# Allegro board 1155001-Timing_board_V3_20241024_1805_pcb.brd (continued)
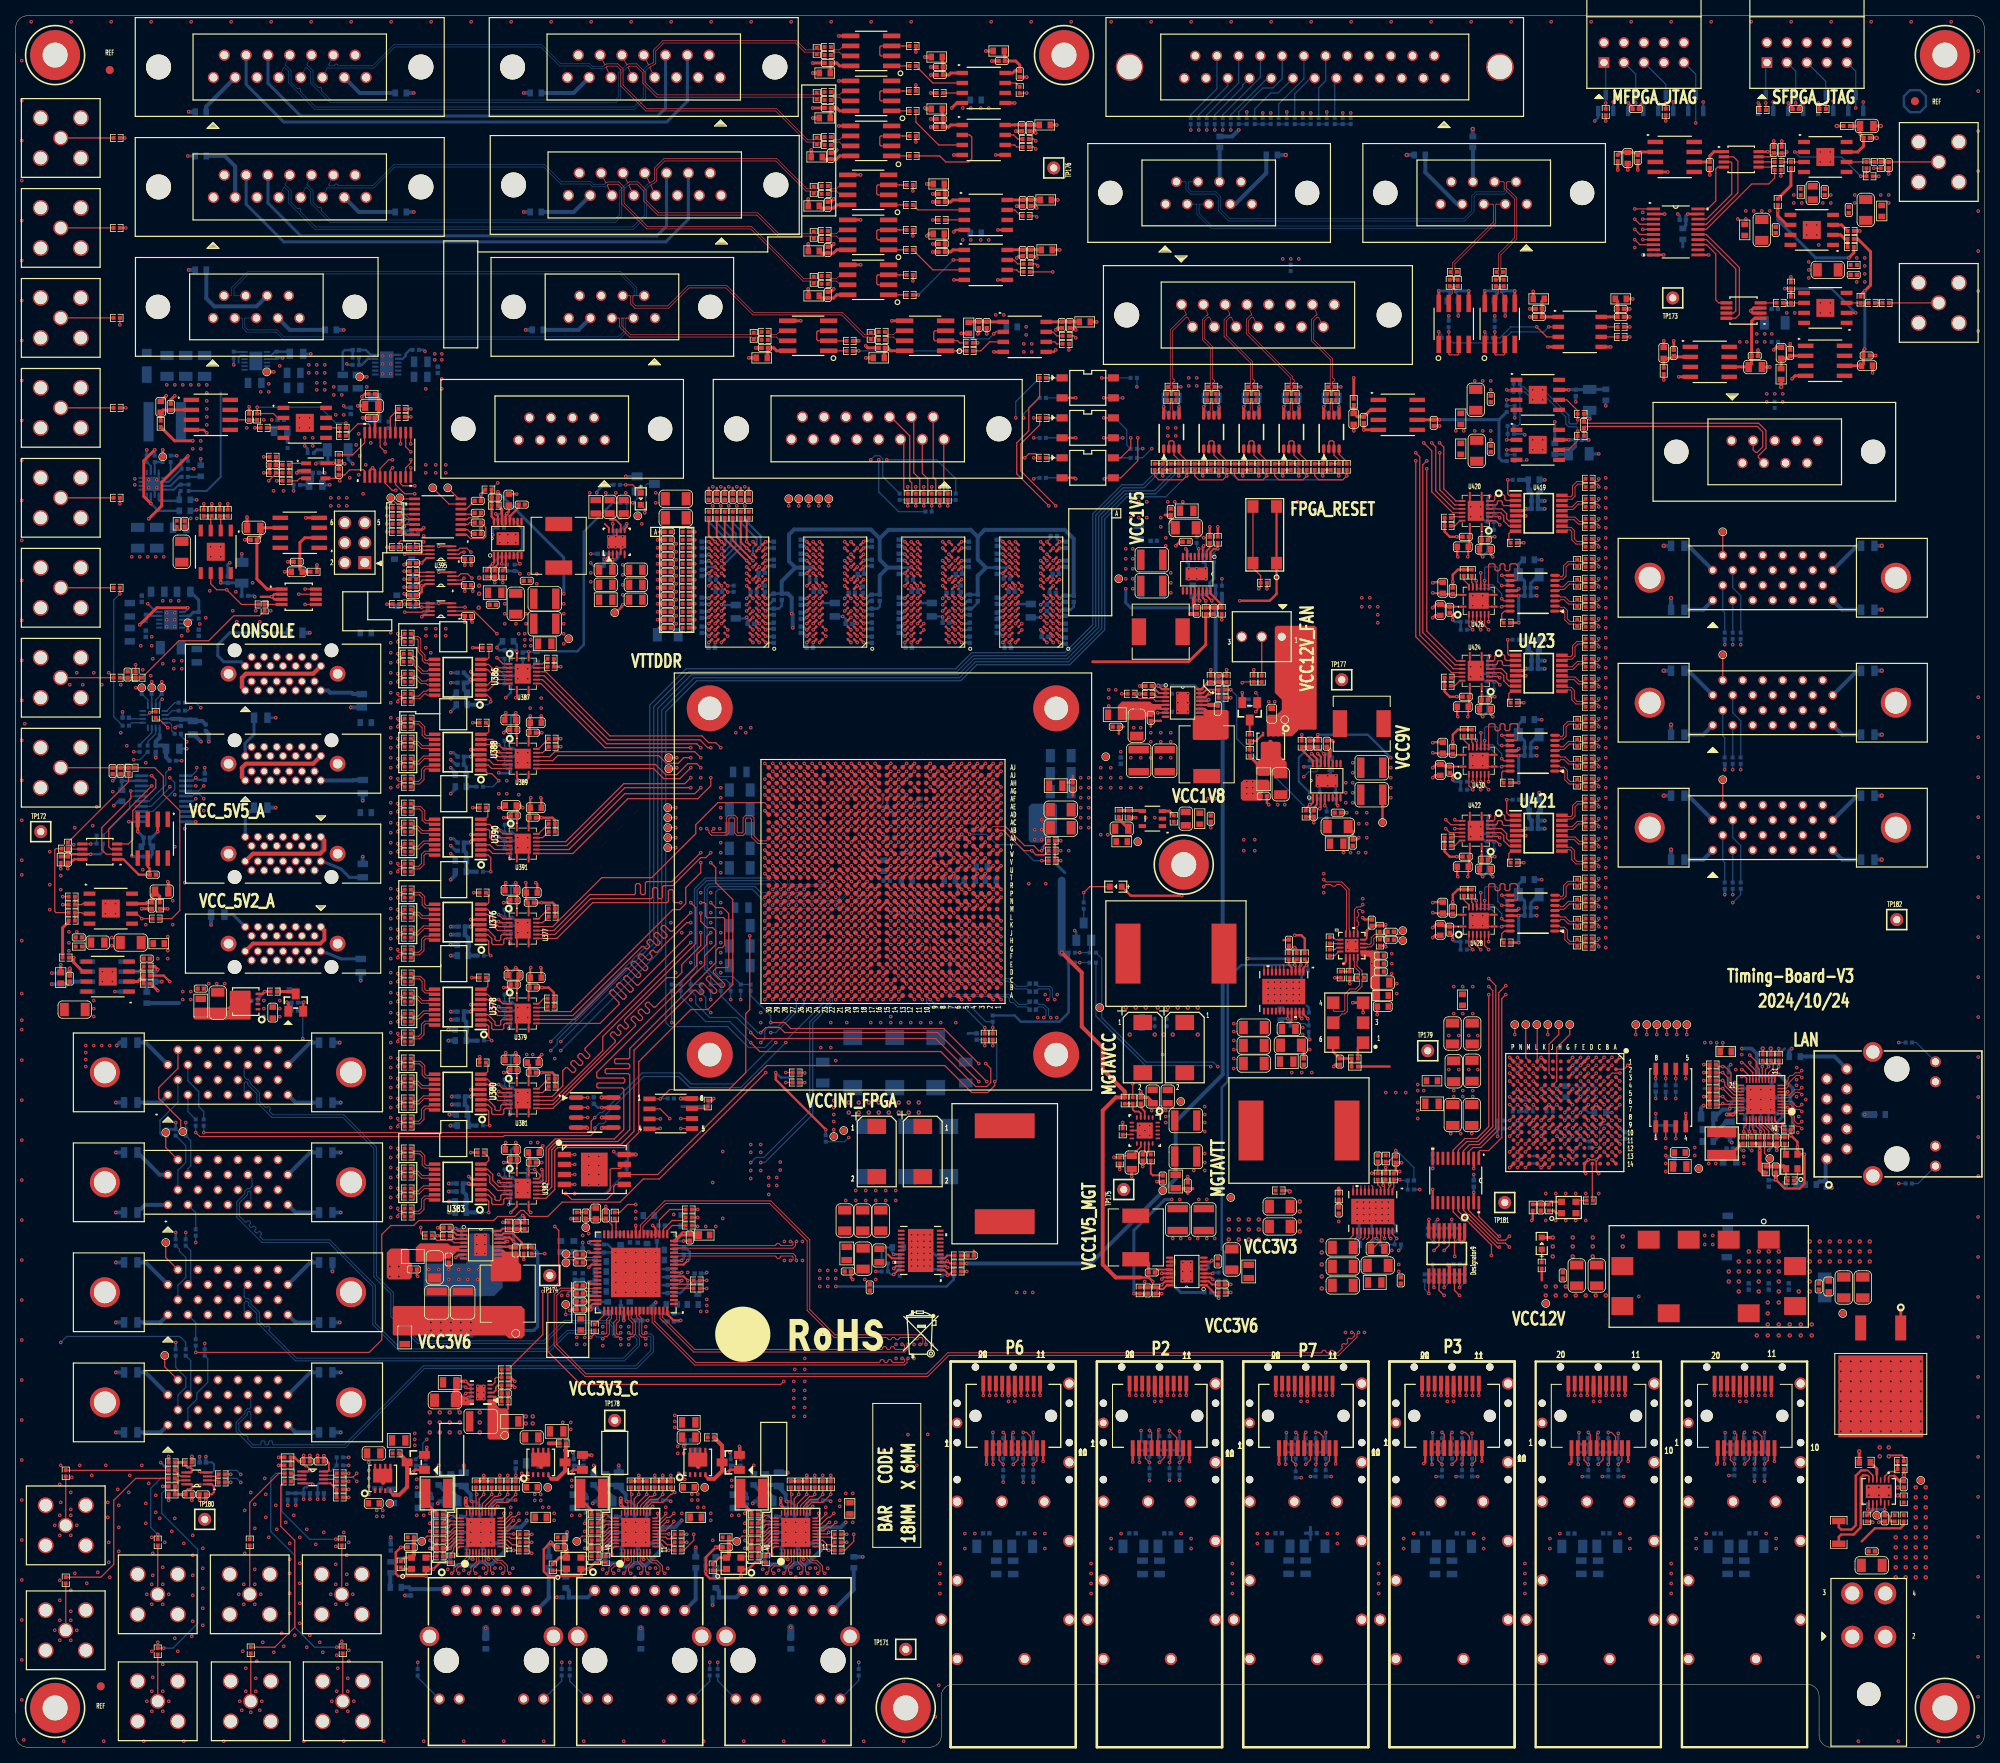
[diagram p0: board, top side]
## Nets
GND: C13.2(CAP1) C14.2(CAP1) C15.2(CAP1) C22.2(CAP1) C23.2(CAP1) C44.2(CAP1) C72.2(CAP1) C73.2(CAP1) C78.2(CAP1) C97.2(CAP1) C99.2(CAP1) C114.2(CAP1) C115.2(CAP1) C123.2(CAP1) C140.2(CAP1) C143.2(CAP1) C144.2(CAP1) C145.2(CAP1) C146.2(CAP1) C147.2(CAP1) C148.2(CAP1) C150.2(CAP1) C151.2(CAP1) C152.2(CAP1) C153.2(CAP1) C159.2(CAP1) C160.2(CAP1) C161.2(CAP1) C162.2(CAP1) C217.2(CAP1) C224.2(CAP1) C250.2(CAP1) C271.2(CAP1) C340.2(CAP1) C341.2(CAP1) C342.2(CAP1) C343.2(CAP1) C344.2(CAP1) C399.2(CAP1) C400.2(CAP1) C401.2(CAP1) C402.2(CAP1) C418.2(CAP1) C419.2(CAP1) C420.2(CAP1) C421.2(CAP1) C422.2(CAP1) C461.2(CAP1) C462.2(CAP1) C463.2(CAP1) C490.2(CAP1) C491.2(CAP1) C492.2(CAP1) C493.2(CAP1) C494.2(CAP1) C495.2(CAP1) C496.2(CAP1) C497.2(CAP1) C498.2(CAP1) C499.2(CAP1) C500.2(CAP1) C501.2(CAP1) C502.2(CAP1) C503.2(CAP1) C504.2(CAP1) C505.2(CAP1) C506.2(CAP1) C507.2(CAP1) C508.2(CAP1) C509.2(CAP1) C510.2(CAP1) C511.2(CAP1) C512.2(CAP1) C513.2(CAP1) C514.2(CAP1) C515.2(CAP1) C516.2(CAP1) C517.2(CAP1) C518.2(CAP1) C519.2(CAP1) C520.2(CAP1) C521.2(CAP1) C522.2(CAP1) C523.2(CAP1) C524.2(CAP1) C525.2(CAP1) C526.2(CAP1) C527.2(CAP1) C528.2(CAP1) C529.2(CAP1) C530.2(CAP1) C531.2(CAP1) C532.2(CAP1) C533.2(CAP1) C534.2(CAP1) C535.2(CAP1) C536.2(CAP1) C538.2(CAP1) C539.2(CAP1) C540.2(CAP1) C541.2(CAP1) C542.2(CAP1) C543.2(CAP1) C545.2(CAP1) C546.2(CAP1) C547.2(CAP1) C548.2(CAP1) C549.2(CAP1) C550.2(CAP1) C551.2(CAP1) C552.2(CAP1) C553.2(CAP1) C554.2(CAP1) C555.2(CAP1) C556.2(CAP1) C557.2(CAP1) C558.2(CAP1) C559.2(CAP1) C560.2(CAP1) C561.2(CAP1) C562.2(CAP1) C563.2(CAP1) C564.2(CAP1) C565.2(CAP1) C566.2(CAP1) C567.2(CAP1) C568.2(CAP1) C569.2(CAP1) C570.2(CAP1) C571.2(CAP1) C572.2(CAP1) C573.2(CAP1) C575.2(CAP1) C577.2(CAP1) C578.2(CAP1) C579.2(CAP1) C580.2(CAP1) C581.2(CAP1) C582.2(CAP1) C583.2(CAP1) C584.2(CAP1) C585.2(CAP1) C586.2(CAP1) C587.2(CAP1) C588.2(CAP1) C589.2(CAP1) C590.2(CAP1) C591.2(CAP1) C592.2(CAP1) C593.2(CAP1) C594.2(CAP1) C595.2(CAP1) C596.2(CAP1) C597.2(CAP1) C598.2(CAP1) C599.2(CAP1) C600.2(CAP1) C601.2(CAP1) C602.2(CAP1) C603.2(CAP1) C604.2(CAP1) C605.2(CAP1) C606.2(CAP1) C607.2(CAP1) C608.2(CAP1) C609.2(CAP1) C610.2(CAP1) C611.2(CAP1) C612.2(CAP1) C613.2(CAP1) C614.2(CAP1) C615.2(CAP1) C616.2(CAP1) C617.2(CAP1) C618.2(CAP1) C619.2(CAP1) C620.2(CAP1) C621.2(CAP1) C622.2(CAP1) C623.2(CAP1) C624.2(CAP1) C625.2(CAP1) C626.2(CAP1) C627.2(CAP1) C628.2(CAP1) C629.2(CAP1) C630.2(CAP1) C631.2(CAP1) C632.2(CAP1) C633.2(CAP1) C636.2(CAP1) C638.2(CAP1) C639.2(CAP1) C640.2(CAP1) C641.2(CAP1) C642.2(CAP1) C751.2(CAP1) C753.2(CAP1) C754.2(CAP1) C757.2(CAP1) C758.2(CAP1) C759.2(CAP1) C766.2(CAP1) C767.2(CAP1) C768.2(CAP1) C770.2(CAP1) C771.2(CAP1) C773.2(CAP1) C774.2(CAP1) C777.2(CAP1) C778.2(CAP1) C779.2(CAP1) C780.2(CAP1) C781.2(CAP1) C782.2(CAP1) C783.2(CAP1) C784.2(CAP1) C785.2(CAP1) C786.2(CAP1) C787.2(CAP1) C788.2(CAP1) C789.2(CAP1) C790.2(CAP1) C791.2(CAP1) C792.2(CAP1) C793.2(CAP1) C794.2(CAP1) C795.2(CAP1) C796.2(CAP1) C797.2(CAP1) C798.2(CAP1) C799.2(CAP1) C800.2(CAP1) C838.1(CAP2) C839.2(CAP1) C841.2(CAP1) C842.2(CAP1) C846.2(CAP1) C847.2(CAP1) C849.2(CAP1) C850.2(CAP1) C851.2(CAP1) C852.2(CAP1) C853.2(CAP1) C854.2(CAP1) C855.2(CAP1) C859.2(CAP1) C864.2(CAP1) C865.2(CAP1) C866.2(CAP1) C881.2(CAP1) C882.2(CAP1) C883.2(CAP1) C884.2(CAP1) C885.2(CAP1) C930.1(CAP2) C932.1(CAP2) C933.2(CAP1) C934.1(CAP2) C935.1(CAP2) C936.2(CAP1) C938.1(CAP2) C995.1(CAP2) C996.1(CAP2) C997.1(CAP2) C999.1(CAP2) C1001.2(CAP1) C1002.2(CAP1) C1005.1(CAP2) C1007.1(CAP2) C1009.1(CAP2) C1010.2(CAP1) C1011.2(CAP1) C1012.1(CAP2) C1013.2(CAP1) C1014.2(CAP1) C1015.1(CAP2) C1016.2(CAP1) C1017.2(CAP1) C1018.1(CAP2) C1019.2(CAP1) C1020.2(CAP1) C1021.1(CAP2) C1022.2(CAP1) C1023.2(CAP1) C1024.1(CAP2) C1025.2(CAP1) C1026.2(CAP1) C1027.1(CAP2) C1028.2(CAP1) C1029.2(CAP1) C1030.1(CAP2) C1031.2(CAP1) C1032.2(CAP1) C1033.1(CAP2) C1034.2(CAP1) C1035.2(CAP1) C1135.1(CAP2) C1137.2(CAP1) C1138.2(CAP1) C1153.2(CAP1) C1154.2(CAP1) C1155.2(CAP1) C1156.2(CAP1) C1157.2(CAP1) C1158.2(CAP1) C1162.2(CAP1) C1163.1(CAP2) C1164.2(CAP1) C1165.2(CAP1) C1168.2(CAP1) C1169.2(CAP1) C1170.2(CAP1) C1171.2(CAP1) C1172.2(CAP1) C1173.2(CAP1) C1174.2(CAP1) C1175.2(CAP1) C1176.2(CAP1) C1177.1(CAP2) C1178.2(CAP1) C1181.1(CAP2) C1182.1(CAP2) C1183.1(CAP2) C1184.2(CAP1) C1185.2(CAP1) C1186.2(CAP1) C1187.1(CAP2) C1188.1(CAP2) C1189.2(CAP1) C1190.2(CAP1) C1193.2(CAP1) C1194.2(CAP1) C1195.2(CAP1) C1196.2(CAP1) C1197.2(CAP1) C1201.1(CAP2) C1202.2(CAP1) C1203.2(CAP1) C1204.2(CAP1) C1205.2(CAP1) C1206.2(CAP1) C1207.2(CAP1) C1211.1(CAP2) C1212.2(CAP1) C1213.2(CAP1) C1214.2(CAP1) C1215.2(CAP1) C1216.2(CAP1) C1217.2(CAP1) C1218.1(CAP2) C1219.1(CAP2) C1220.2(CAP1) C1221.2(CAP1) C1224.2(CAP1) C1225.2(CAP1) C1226.2(CAP1) C1227.2(CAP1) C1228.2(CAP1) C1229.1(CAP2) C1230.1(CAP2) C1231.1(CAP2) C1232.2(CAP1) C1233.2(CAP1) C1234.2(CAP1) C1237.2(CAP1) C1238.2(CAP1) C1264.2(CAP1) C1265.1(CAP2) C1267.2(CAP1) C1268.2(CAP1) C1269.2(CAP1) C1270.2(CAP1) C1271.2(CAP1) C1272.2(CAP1) C1273.1(CAP2) C1274.2(CAP1) C1338.1(CAP2) C1339.2(CAP1) C1341.2(CAP1) C1347.2(CAP1) C1348.1(CAP2) C1349.2(CAP1) C2109.2(CAP1) C2110.2(CAP1) C2111.2(CAP1) C2253.2(CAP1) C2254.2(CAP1) C2255.2(CAP1) C2256.2(CAP1) C2257.2(CAP1) C2258.2(CAP1) C2259.2(CAP1) C2260.2(CAP1) C2261.2(CAP1) C2262.2(CAP1) C2263.2(CAP1) C2264.2(CAP1) C2265.2(CAP1) C2266.2(CAP1) C2267.2(CAP1) C2268.2(CAP1) C2269.2(CAP1) C2270.2(CAP1) C2271.2(CAP1) C2272.2(CAP1) C2273.2(CAP1) C2274.2(CAP1) C2275.2(CAP1) C2276.2(CAP1) C2277.2(CAP1) C2278.2(CAP1) C2279.2(CAP1) C2404.2(CAP1) C2405.2(CAP1) C2406.2(CAP1) C2407.2(CAP1) C2408.2(CAP1) C2409.2(CAP1) C2410.2(CAP1) C2411.2(CAP1) C2420.2(CAP1) C2421.2(CAP1) C2423.1(CAP2) C2424.2(CAP1) C2425.1(CAP2) C2426.2(CAP1) C2428.2(CAP1) C2429.2(CAP1) C2430.1(CAP2) C2432.1(CAP2) C2433.2(CAP1) C2434.2(CAP1) C2435.1(CAP2) C2527.1(CAP2) C2528.1(CAP2) C2529.2(CAP1) C2530.2(CAP1) C2533.2(CAP1) C2534.2(CAP1) C2535.2(CAP1) C2536.2(CAP1) C2537.2(CAP1) C2557.1(CAP2) C2558.2(CAP1) C2579.2(CAP1) C2580.1(CAP2) C2581.2(CAP1) C2583.1(CAP2) C2584.2(CAP1) C2585.1(CAP2) C2586.1(CAP2) C2591.2(CAP1) C2593.1(CAP2) C2594.1(CAP2) C2595.1(CAP2) C2596.2(CAP1) C2597.1(CAP2) C2598.2(CAP1) C2599.2(CAP1) C2600.2(CAP1) C2601.2(CAP1) C2602.2(CAP1) C2603.2(CAP1) C2604.2(CAP1) C2605.2(CAP1) C2606.2(CAP1) C2607.2(CAP1) C2608.2(CAP1) C2609.2(CAP1) C2610.2(CAP1) C2611.2(CAP1) C2612.2(CAP1) C2613.2(CAP1) C2614.2(CAP1) C2615.2(CAP1) C2616.2(CAP1) C2617.2(CAP1) C2618.2(CAP1) C2619.2(CAP1) C2620.2(CAP1) C2621.2(CAP1) C2622.2(CAP1) C2623.2(CAP1) C2624.2(CAP1) C2625.2(CAP1) C2626.2(CAP1) C2627.2(CAP1) C2628.2(CAP1) C2629.2(CAP1) C2630.2(CAP1) C2633.2(CAP1) C2634.2(CAP1) C2635.2(CAP1) C2636.2(CAP1) C2637.2(CAP1) C2638.1(CAP2) C2639.2(CAP1) C2640.2(CAP1) C2641.1(CAP2) C2642.2(CAP1) C2643.2(CAP1) C2644.1(CAP2) C2645.2(CAP1) C2646.2(CAP1) C2647.2(CAP1) C2648.2(CAP1) C2769.1(CAP2) C2770.1(CAP2) C2771.2(CAP1) C2772.2(CAP1) C2795.2(CAP1) C2796.2(CAP1) C2797.2(CAP1) C2798.2(CAP1) C2799.2(CAP1) C2800.2(CAP1) C2801.2(CAP1) C2802.2(CAP1) C2851.2(CAP1) C2852.2(CAP1) C2853.2(CAP1) C2854.2(CAP1) C2855.2(CAP1) C2856.2(CAP1) C2857.2(CAP1) C2858.2(CAP1) C2859.2(CAP1) C2860.2(CAP1) C2861.2(CAP1) C2862.2(CAP1) C2863.2(CAP1) C2864.2(CAP1) C2865.2(CAP1) C2867.1(CAP2) C2868.2(CAP1) C2869.2(CAP1) C2870.1(CAP2) C2871.2(CAP1) C2873.1(CAP2) C2874.1(CAP2) C2875.1(CAP2) C2876.1(CAP2) C2877.1(CAP2) C2878.1(CAP2) C2879.1(CAP2) C2880.1(CAP2) C2881.2(CAP1) C2882.2(CAP1) C2883.1(CAP2) C2884.1(CAP2) C2885.2(CAP1) C2886.1(CAP2) C2887.1(CAP2) C2888.1(CAP2) C2889.1(CAP2) C2890.2(CAP1) C2891.2(CAP1) C2892.1(CAP2) C2893.2(CAP1) C2894.1(CAP2) C2895.1(CAP2) C2896.1(CAP2) C2897.1(CAP2) C2904.2(CAP1) C2906.1(CAP2) C2907.2(CAP1) C2908.1(CAP2) C2909.1(CAP2) C2910.1(CAP2) C2911.1(CAP2) C2912.1(CAP2) C2913.1(CAP2) C2914.1(CAP2) C2915.1(CAP2) C2916.2(CAP1) C2917.1(CAP2) C2918.2(CAP1) C2919.1(CAP2) C2920.1(CAP2) C2921.1(CAP2) C2922.1(CAP2) C2923.2(CAP1) C2924.1(CAP2) C2925.2(CAP1) C2926.2(CAP1) C2927.1(CAP2) C2928.2(CAP1) C2929.1(CAP2) C2930.2(CAP1) C2931.2(CAP1) C2936.2(CAP1) C2937.2(CAP1) C2938.2(CAP1) C2944.2(CAP1) C2945.2(CAP1) C2946.2(CAP1) C2947.2(CAP1) C2948.2(CAP1) C2949.2(CAP1) C2950.2(CAP1) C2972.1(CAP2) C2973.2(CAP1) C2980.1(CAP2) C2981.2(CAP1) C2984.1(CAP2) C2985.2(CAP1) C2991.1(CAP2) C2992.2(CAP1) C2995.1(CAP2) C2996.2(CAP1) C2997.2(CAP1) C2998.1(CAP2) C2999.2(CAP1) C3000.1(CAP2) C3001.1(CAP2) C3002.2(CAP1) C3003.1(CAP2) C3004.1(CAP2) C3005.1(CAP2) C3006.2(CAP1) C3007.2(CAP1) C3008.2(CAP1) C3009.1(CAP2) C3010.2(CAP1) C3011.1(CAP2) C3012.2(CAP1) C3013.1(CAP2) C3014.1(CAP2) C3015.2(CAP1) C3016.2(CAP1) C3017.2(CAP1) C3018.1(CAP2) C3019.2(CAP1) C3022.2(CAP1) C3023.2(CAP1) C3024.2(CAP1) C3025.2(CAP1) C3026.2(CAP1) C3027.2(CAP1) C3028.2(CAP1) C3029.2(CAP1) C3030.1(CAP2) C3031.1(CAP2) C3032.1(CAP2) C3033.1(CAP2) C3034.1(CAP2) C3035.1(CAP2) C3036.1(CAP2) C3037.1(CAP2) C3038.2(CAP1) C3039.1(CAP2) C3040.2(CAP1) C3041.2(CAP1) C3042.1(CAP2) C3043.2(CAP1) C3044.1(CAP2) C3045.1(CAP2) C3046.1(CAP2) C3047.1(CAP2) C3048.2(CAP1) C3049.1(CAP2) C3050.2(CAP1) C3052.1(CAP2) C3053.2(CAP1) C3060.2(CAP1) C3061.1(CAP2) C3062.2(CAP1) C3063.2(CAP1) C3064.1(CAP2) C3065.2(CAP1) C3066.2(CAP1) C3067.2(CAP1) C3068.2(CAP1) C3069.2(CAP1) C3070.2(CAP1) C3071.2(CAP1) C3072.2(CAP1) C3073.2(CAP1) C3074.2(CAP1) C3075.2(CAP1) C3076.2(CAP1) C3077.2(CAP1) C3078.2(CAP1) C3079.2(CAP1) C3080.2(CAP1) C3081.1(CAP2) C3082.2(CAP1) C3083.1(CAP2) C3084.1(CAP2) C3085.2(CAP1) C3086.2(CAP1) C3087.1(CAP2) C3088.2(CAP1) C3089.2(CAP1) C3090.1(CAP2) C3091.1(CAP2) C3092.1(CAP2) C3093.2(CAP1) C3094.2(CAP1) C3095.2(CAP1) C3098.2(CAP1) C3099.1(CAP2) C3100.2(CAP1) C3101.1(CAP2) C3102.1(CAP2) C3103.2(CAP1) C3104.1(CAP2) C3105.2(CAP1) C3106.2(CAP1) C3107.1(CAP2) C3108.2(CAP1) C3109.1(CAP2) C3110.1(CAP2) C3111.2(CAP1) C3112.1(CAP2) C3113.2(CAP1) C3114.1(CAP2) C3115.1(CAP2) C3116.2(CAP1) C3117.1(CAP2) C3118.2(CAP1) C3119.1(CAP2) C3120.2(CAP1) C3121.1(CAP2) C3122.2(CAP1) C3131.2(CAP1) C3132.1(CAP2) C3136.2(CAP1) C3137.1(CAP2) C3138.1(CAP2) C3139.2(CAP1) C3140.1(CAP2) C3141.2(CAP1) C3142.1(CAP2) C3143.2(CAP1) C3144.1(CAP2) C3145.1(CAP2) C3146.2(CAP1) CC1.2 CC2.2 CC3.2 CC4.2 CC5.2 CC6.2 CC7.2 CC8.2 CC13.2 CC14.2 D1.1 D2.1 D3.1 D4.1 D5.1 D6.1 D7.1 D8.1 DS24.2 J1.2 J1.10 J6.12 J6.13 J31.2(GND1) J31.3(GND2) J31.4(GND3) J31.5(GND4) J56.2 J56.10 J61.3(P3) J63.2(GND1) J63.3(GND2) J63.4(GND3) J63.5(GND4) J64.2(GND1) J64.3(GND2) J64.4(GND3) J64.5(GND4) J65.2(GND1) J65.3(GND2) J65.4(GND3) J65.5(GND4) J66.2(GND1) J66.3(GND2) J66.4(GND3) J66.5(GND4) J84.5 J95.2(GND1) J95.3(GND2) J95.4(GND3) J95.5(GND4) J96.2(GND1) J96.3(GND2) J96.4(GND3) J96.5(GND4) J105.2(GND1) J105.3(GND2) J105.4(GND3) J105.5(GND4) J106.12 J106.13 J107.12 J107.13 J109.12 J109.13 J115.1 J115.6 J116.2(GND1) J116.3(GND2) J116.4(GND3) J116.5(GND4) J117.2(GND1) J117.3(GND2) J117.4(GND3) J117.5(GND4) J118.2(GND1) J118.3(GND2) J118.4(GND3) J118.5(GND4) J119.2(GND1) J119.3(GND2) J119.4(GND3) J119.5(GND4) J120.2(GND1) J120.3(GND2) J120.4(GND3) J120.5(GND4) J121.2(GND1) J121.3(GND2) J121.4(GND3) J121.5(GND4) J122.2(GND1) J122.3(GND2) J122.4(GND3) J122.5(GND4) J123.2(GND1) J123.3(GND2) J123.4(GND3) J123.5(GND4) J125.2(GND1) J125.3(GND2) J125.4(GND3) J125.5(GND4) J126.2(GND1) J126.3(GND2) J126.4(GND3) J126.5(GND4) L3.1 L41.1 L42.1 L229.1 L242.1 L337.2 L338.2 L339.1 L340.1 L341.1 L342.1 L370.1 L371.1 L372.1 L373.1 L429.1 L430.1 L504.1 L526.1 L532.2 L535.2 P2.1(VEET_1) P2.10(VEER_1) P2.11(VEER_2) P2.14(VEER_3) P2.17(VEET_2) P2.20(VEET_3) P2.21(GND1) P2.22(GND2) P2.23(GND3) P2.24(GND4) P2.25(GND5) P2.26(GND6) P2.27(GND7) P2.28(GND8) P2.29(GND9) P2.30(GND10) P2.31(GND11) P2.32(GND12) P3.1(VEET_1) P3.10(VEER_1) P3.11(VEER_2) P3.14(VEER_3) P3.17(VEET_2) P3.20(VEET_3) P3.21(GND1) P3.22(GND2) P3.23(GND3) P3.24(GND4) P3.25(GND5) P3.26(GND6) P3.27(GND7) P3.28(GND8) P3.29(GND9) P3.30(GND10) P3.31(GND11) P3.32(GND12) P6.1(VEET_1) P6.10(VEER_1) P6.11(VEER_2) P6.14(VEER_3) P6.17(VEET_2) P6.20(VEET_3) P6.21(GND1) P6.22(GND2) P6.23(GND3) P6.24(GND4) P6.25(GND5) P6.26(GND6) P6.27(GND7) P6.28(GND8) P6.29(GND9) P6.30(GND10) P6.31(GND11) P6.32(GND12) P7.1(VEET_1) P7.10(VEER_1) P7.11(VEER_2) P7.14(VEER_3) P7.17(VEET_2) P7.20(VEET_3) P7.21(GND1) P7.22(GND2) P7.23(GND3) P7.24(GND4) P7.25(GND5) P7.26(GND6) P7.27(GND7) P7.28(GND8) P7.29(GND9) P7.30(GND10) P7.31(GND11) P7.32(GND12) P8.1(VEET_1) P8.10(VEER_1) P8.11(VEER_2) P8.14(VEER_3) P8.17(VEET_2) P8.20(VEET_3) P8.21(GND1) P8.22(GND2) P8.23(GND3) P8.24(GND4) P8.25(GND5) P8.26(GND6) P8.27(GND7) P8.28(GND8) P8.29(GND9) P8.30(GND10) P8.31(GND11) P8.32(GND12) P9.1(VEET_1) P9.10(VEER_1) P9.11(VEER_2) P9.14(VEER_3) P9.17(VEET_2) P9.20(VEET_3) P9.21(GND1) P9.22(GND2) P9.23(GND3) P9.24(GND4) P9.25(GND5) P9.26(GND6) P9.27(GND7) P9.28(GND8) P9.29(GND9) P9.30(GND10) P9.31(GND11) P9.32(GND12) Q10.2(SOURCE) Q15.2(SOURCE) Q21.2(SOURCE) Q23.2(SOURCE) Q25.2(SOURCE) Q27.2(SOURCE) Q29.2(SOURCE) R8.2 R41.2 R159.2 R161.2 R164.2 R219.2 R276.2 R337.1 R338.1 R339.1 R458.2 R490.2 R492.2 R494.2 R657.2 R665.2 R666.2 R844.1 R845.2 R856.2 R868.2 R869.2 R870.2 R871.2 R872.2 R873.2 R874.2 R875.2 R988.1 R994.1 R1004.1 R1005.2 R1042.1 R1043.1 R1044.1 R1046.1 R1048.2 R1052.2 R1053.1 R1054.1 R1056.2 R1064.1 R1065.2 R1066.1 R1068.2 R1069.1 R1070.1 R1073.2 R1077.1 R1078.1 R1079.1 R1080.1 R1089.2 R1092.1 R1093.1 R1094.1 R1095.1 R1103.2 R1104.1 R1105.1 R1108.2 R1111.1 R1143.1 R1144.2 R1145.1 R1147.2 R1196.2 R1894.2 R1895.2 R2075.2 R2080.2 R2127.2 R2128.2 R2129.2 R2130.2 R2131.2 R2132.2 R2185.1 R2188.1 R2190.2 R2191.2 R2192.2 R2193.2 R2194.2 R2195.2 R2196.2 R2197.2 R2198.2 R2199.2 R2274.2 R2275.1 R2276.1 R2279.2 R2327.2 R2328.2 R2329.2 R2330.2 R2331.2 R2356.1 R2403.2 R2410.1 R2413.1 R2416.1 R2432.2 R2433.2 R2434.2 R2435.2 R2436.2 R2437.2 R2438.2 R2439.2 R2440.2 R2448.1 R2449.2 R2450.2 R2451.2 R2452.2 R2453.2 R2458.2 R2459.2 R2476.2 R2477.1 R2489.2 R2490.2 R2491.2 R2492.2 R2493.2 R2494.2 R2495.2 R2496.2 R2497.2 R2507.2 R2508.1 R2520.2 R2521.2 R2522.2 R2523.2 R2524.2 R2525.2 R2526.2 R2527.2 R2528.2 R2530.2 R2534.2 R2537.2 R2540.2 R2558.1 R2559.1 R2560.1 R2561.1 R2610.1 R2616.2 R2622.1 R2628.2 R2750.2 R2751.1 R2763.2 R2764.2 R2765.2 R2766.2 R2767.2 R2768.2 R2769.2 R2770.2 R2771.2 R2776.2 R2873.1 R2883.2 R2884.2 R2886.2 R2887.2 R2891.1 R2901.2 R2902.2 R2903.2 R2904.2 R2907.1 R2917.2 R2918.2 R2919.2 R2920.2 R2923.2 R2924.1 R2926.2 R2927.2 R2929.2 R2954.1 R2963.2 R2965.2 R2966.2 R2967.2 R2971.1 R2981.2 R2982.2 R2983.2 R2984.2 R2986.1 R2997.2 R2998.2 R2999.2 R3000.2 R3006.1 R3028.1 R3032.1 R3111.1 R3115.1 R3118.2 R3119.1 R3129.2 R3151.2 R3153.2 R3154.2 R3157.2 R3158.2 R3159.2 R3160.2 R3161.2 R3164.2 R3165.2 R3166.2 R3167.2 R3168.2 R3171.2 R3172.2 R3173.2 R3174.1 R3175.2 R3176.2 R3185.1 R3186.2 R3187.2 R3203.1 R3209.2 R3210.2 R3211.2 R3212.2 R3219.1 R3225.2 R3226.2 R3227.2 R3228.2 R3235.1 R3241.2 R3242.2 R3243.2 R3244.2 R3246.2 R3251.2 R3252.2 R3253.1 R3254.1 R3255.1 R3256.1 R3258.2 R3263.2 R3264.2 R3265.1 R3266.1 R3268.2 R3273.2 R3274.2 R3286.2 R3328.2 R3338.2 R3343.2 R3344.1 R3358.2 R3366.2 R3374.2 R3382.2 R3406.1 R3408.1 TP171.1 TP172.1 TP173.1 TP174.1 TP175.1 TP176.1 TP177.1 TP178.1 TP179.1 TP180.1 TP181.1 TP182.1 U3.15(GND) U6.4(GND) U7.4(GND) U7.9(EP) U23.4(PGND) U23.8(GND) U23.11(PWRPAD) U75.A9(VSS#A9) U75.B1(VSSQ#B1) U75.B3(VSS#B3) U75.B9(VSSQ#B9) U75.D1(VSSQ#D1) U75.D8(VSSQ#D8) U75.E1(VSS#E1) U75.E2(VSSQ#E2) U75.E8(VSSQ#E8) U75.F9(VSSQ#F9) U75.G1(VSSQ#G1) U75.G8(VSS#G8) U75.G9(VSSQ#G9) U75.J2(VSS#J2) U75.J8(VSS#J8) U75.M1(VSS#M1) U75.M9(VSS#M9) U75.P1(VSS#P1) U75.P9(VSS#P9) U75.T1(VSS#T1) U75.T9(VSS#T9) U76.A9(VSS#A9) U76.B1(VSSQ#B1) U76.B3(VSS#B3) U76.B9(VSSQ#B9) U76.D1(VSSQ#D1) U76.D8(VSSQ#D8) U76.E1(VSS#E1) U76.E2(VSSQ#E2) U76.E8(VSSQ#E8) U76.F9(VSSQ#F9) U76.G1(VSSQ#G1) U76.G8(VSS#G8) U76.G9(VSSQ#G9) U76.J2(VSS#J2) U76.J8(VSS#J8) U76.M1(VSS#M1) U76.M9(VSS#M9) U76.P1(VSS#P1) U76.P9(VSS#P9) U76.T1(VSS#T1) U76.T9(VSS#T9) U77.A9(VSS#A9) U77.B1(VSSQ#B1) U77.B3(VSS#B3) U77.B9(VSSQ#B9) U77.D1(VSSQ#D1) U77.D8(VSSQ#D8) U77.E1(VSS#E1) U77.E2(VSSQ#E2) U77.E8(VSSQ#E8) U77.F9(VSSQ#F9) U77.G1(VSSQ#G1) U77.G8(VSS#G8) U77.G9(VSSQ#G9) U77.J2(VSS#J2) U77.J8(VSS#J8) U77.M1(VSS#M1) U77.M9(VSS#M9) U77.P1(VSS#P1) U77.P9(VSS#P9) U77.T1(VSS#T1) U77.T9(VSS#T9) U78.A9(VSS#A9) U78.B1(VSSQ#B1) U78.B3(VSS#B3) U78.B9(VSSQ#B9) U78.D1(VSSQ#D1) U78.D8(VSSQ#D8) U78.E1(VSS#E1) U78.E2(VSSQ#E2) U78.E8(VSSQ#E8) U78.F9(VSSQ#F9) U78.G1(VSSQ#G1) U78.G8(VSS#G8) U78.G9(VSSQ#G9) U78.J2(VSS#J2) U78.J8(VSS#J8) U78.M1(VSS#M1) U78.M9(VSS#M9) U78.P1(VSS#P1) U78.P9(VSS#P9) U78.T1(VSS#T1) U78.T9(VSS#T9) U79.4(GND) U79.5(A2) U79.6(A1) U79.7(A0) U88.A1(GND#A1) U88.A6(GND#A6) U88.A9(GND#A9) U88.A11(GND#A11) U88.A14(GND#A14) U88.B4(GND#B4) U88.B7(GND#B7) U88.B9(GND#B9) U88.C2(GND#C2) U88.C6(GND#C6) U88.C7(GND#C7) U88.C8(GND#C8) U88.C9(GND#C9) U88.C13(GND#C13) U88.D5(GND#D5) U88.D7(GND#D7) U88.D9(GND#D9) U88.D11(GND#D11) U88.E1(GND#E1) U88.E3(GND#E3) U88.E6(GND#E6) U88.E8(GND#E8) U88.E10(GND#E10) U88.E14(GND#E14) U88.F5(GND#F5) U88.F9(GND#F9) U88.G3(GND#G3) U88.G6(GND#G6) U88.G10(GND#G10) U88.G12(GND#G12) U88.H5(GND#H5) U88.H9(GND#H9) U88.J6(GND#J6) U88.J7(DXN_0) U88.J8(DXP_0) U88.J10(GND#J10) U88.K1(GND#K1) U88.K5(GND#K5) U88.K7(GND#K7) U88.K9(GND#K9) U88.K14(GND#K14) U88.L4(GND#L4) U88.L6(GND#L6) U88.L8(GND#L8) U88.L10(GND#L10) U88.L11(GND#L11) U88.M8(M1_0) U88.M9(M2_0) U88.N3(GND#N3) U88.N5(GND#N5) U88.N9(GND#N9) U88.N12(GND#N12) U88.P1(GND#P1) U88.P14(GND#P14) U89.4(GND) U90.2(GND) U93.41(THERM_PAD) U94.2(GND) U98.12(GND) U103.3(GND) U105.69(EP(GND)) U111.4(QPI-1) U111.5(QPI-2) U113.23(EPAD) U114.8(PGND2) U114.17(GND) U115.8(PGND2) U115.17(GND) U116.8(PGND2) U116.17(GND) U117.23(EPAD) U118.23(EPAD) U119.8(PGND2) U119.17(GND) U120.8(GND) U120.18(GND_1) U120.21(PAD) U126.8(PGND2) U126.17(GND) U127.4(GND) U127.11(PAD) U133.7(GND) U133.13(EPAD) U239.9(GND) U245.1(GND) U245.17(EPAD) U247.A1(GND#A1) U247.A2(GND#A2) U247.A5(GND#A5) U247.A6(GND#A6) U247.A9(GND#A9) U247.A14(GND#A14) U247.A24(GND#A24) U247.AA1(GND#AA1) U247.AA2(GND#AA2) U247.AA5(GND#AA5) U247.AA6(GND#AA6) U247.AA7(GND#AA7) U247.AA14(GND#AA14) U247.AA24(GND#AA24) U247.AB3(GND#AB3) U247.AB4(GND#AB4) U247.AB11(GND#AB11) U247.AB21(GND#AB21) U247.AC8(GND#AC8) U247.AC18(GND#AC18) U247.AC28(GND#AC28) U247.AD5(GND#AD5) U247.AD15(GND#AD15) U247.AD25(GND#AD25) U247.AE2(GND#AE2) U247.AE12(GND#AE12) U247.AE22(GND#AE22) U247.AF9(GND#AF9) U247.AF19(GND#AF19) U247.AF29(GND#AF29) U247.AG6(GND#AG6) U247.AG16(GND#AG16) U247.AG26(GND#AG26) U247.AH3(GND#AH3) U247.AH13(GND#AH13) U247.AH23(GND#AH23) U247.AJ10(GND#AJ10) U247.AJ20(GND#AJ20) U247.AJ30(GND#AJ30) U247.AK7(GND#AK7) U247.AK17(GND#AK17) U247.AK27(GND#AK27) U247.B4(GND#B4) U247.B8(GND#B8) U247.B9(GND#B9) U247.B11(GND#B11) U247.B21(GND#B21) U247.C1(GND#C1) U247.C2(GND#C2) U247.C6(GND#C6) U247.C9(GND#C9) U247.C18(GND#C18) U247.C28(GND#C28) U247.D4(GND#D4) U247.D8(GND#D8) U247.D9(GND#D9) U247.D15(GND#D15) U247.D25(GND#D25) U247.E1(GND#E1) U247.E2(GND#E2) U247.E6(GND#E6) U247.E9(GND#E9) U247.E12(GND#E12) U247.E22(GND#E22) U247.F4(GND#F4) U247.F8(GND#F8) U247.F9(GND#F9) U247.F19(GND#F19) U247.F29(GND#F29) U247.G1(GND#G1) U247.G2(GND#G2) U247.G6(GND#G6) U247.G9(GND#G9) U247.G16(GND#G16) U247.G26(GND#G26) U247.H4(GND#H4) U247.H8(GND#H8) U247.H9(GND#H9) U247.H13(GND#H13) U247.H23(GND#H23) U247.J1(GND#J1) U247.J2(GND#J2) U247.J6(GND#J6) U247.J9(GND#J9) U247.J10(GND#J10) U247.J20(GND#J20) U247.J30(GND#J30) U247.K4(GND#K4) U247.K8(GND#K8) U247.K9(GND#K9) U247.K17(GND#K17) U247.K27(GND#K27) U247.L1(GND#L1) U247.L2(GND#L2) U247.L6(GND#L6) U247.L9(GND#L9) U247.L10(CFGBVS_0) U247.L14(GND#L14) U247.L24(GND#L24) U247.M4(GND#M4) U247.M8(GND#M8) U247.M9(GND#M9) U247.M12(GND#M12) U247.M14(GND#M14) U247.M16(GND#M16) U247.M18(GND#M18) U247.M21(GND#M21) U247.N1(GND#N1) U247.N2(GND#N2) U247.N6(GND#N6) U247.N9(GND#N9) U247.N11(GND#N11) U247.N13(GND#N13) U247.N15(GND#N15) U247.N17(GND#N17) U247.N28(GND#N28) U247.P4(GND#P4) U247.P8(GND#P8) U247.P9(GND#P9) U247.P10(GND#P10) U247.P12(GND#P12) U247.P16(GND#P16) U247.P18(GND#P18) U247.P25(GND#P25) U247.R1(GND#R1) U247.R2(GND#R2) U247.R6(GND#R6) U247.R9(GND#R9) U247.R11(GND#R11) U247.R13(GND#R13) U247.R15(VP_0) U247.R17(GND#R17) U247.R22(GND#R22) U247.T4(GND#T4) U247.T8(GND#T8) U247.T10(GND#T10) U247.T12(GND#T12) U247.T14(VN_0) U247.T16(GND#T16) U247.T18(GND#T18) U247.T19(GND#T19) U247.T29(GND#T29) U247.U1(GND#U1) U247.U2(GND#U2) U247.U6(GND#U6) U247.U9(GND#U9) U247.U11(GND#U11) U247.U13(GND#U13) U247.U14(DXN_0) U247.U15(DXP_0) U247.U17(GND#U17) U247.U26(GND#U26) U247.V4(GND#V4) U247.V8(GND#V8) U247.V9(GND#V9) U247.V10(GND#V10) U247.V12(GND#V12) U247.V14(GND#V14) U247.V16(GND#V16) U247.V18(GND#V18) U247.V23(GND#V23) U247.W1(GND#W1) U247.W2(GND#W2) U247.W6(GND#W6) U247.W9(GND#W9) U247.W11(GND#W11) U247.W13(GND#W13) U247.W15(GND#W15) U247.W17(GND#W17) U247.W20(GND#W20) U247.W30(GND#W30) U247.Y3(GND#Y3) U247.Y4(GND#Y4) U247.Y7(GND#Y7) U247.Y8(GND#Y8) U247.Y9(GND#Y9) U247.Y17(GND#Y17) U247.Y27(GND#Y27) U268.4(GND) U271.2(IOUT2) U271.3(GND) U280.2(CATHODE) U298.8(PGND2) U298.17(GND) U303.2(CATHODE) U304.2(CATHODE) U313.2(CATHODE) U314.2(CATHODE) U315.2(CATHODE) U317.4(GND) U318.8(GND) U321.5(ILIM) U321.8(GND) U321.11(GND_2) U322.4(GND) U323.2(GND) U323.3(GND_1) U324.11(GND) U325.41(THERM_PAD) U326.2(GND) U327.41(THERM_PAD) U328.2(GND) U329.2(GND) U350.4(GND) U351.4(GND) U352.4(GND) U353.4(GND) U374.41(THERM_PAD) U375.2(GND) U376.5(GND) U377.8(GND_1) U377.9(GND_2) U377.17(EP) U378.5(GND) U379.8(GND_1) U379.9(GND_2) U379.17(EP) U380.5(GND) U381.8(GND_1) U381.9(GND_2) U381.17(EP) U382.8(GND_1) U382.9(GND_2) U382.17(EP) U383.5(GND) U386.5(GND) U387.8(GND_1) U387.9(GND_2) U387.17(EP) U388.5(GND) U389.8(GND_1) U389.9(GND_2) U389.17(EP) U390.5(GND) U391.8(GND_1) U391.9(GND_2) U391.17(EP) U392.4(SYNC/FREQ) U392.10(GND) U392.14(NC) U392.15(NC_2) U392.16(NC_3) U392.17(EP) U394.4(GND) U395.4(GND) U396.4(GND) U403.5(GND2) U408.5(GND2) U409.5(GND2) U413.5(GND2) U414.5(GND2) U416.4(GND) U419.5(GND) U420.8(GND_1) U420.9(GND_2) U420.17(EP) U421.5(GND) U422.8(GND_1) U422.9(GND_2) U422.17(EP) U423.5(GND) U424.8(GND_1) U424.9(GND_2) U424.17(EP) U425.12(GND) U426.8(GND_1) U426.9(GND_2) U426.17(EP) U427.12(GND) U428.8(GND_1) U428.9(GND_2) U428.17(EP) U429.12(GND) U430.8(GND_1) U430.9(GND_2) U430.17(EP) U431.11(GND) U432.1(A0) U432.2(A1) U432.8(GND) U432.13(A2) U433.4(GND) U434.8(GND) U435.11(GND) U437.5(GND) U439.4(GND) U443.2(GND) U443.3(GND_1) U444.4(GND) U445.5(GND) U446.5(GND) U447.5(GND) U448.5(GND) U454.4(GND) U457.5(GND2)
GND_EARTH: MH1.1 R2806.1
GND_FPGA_LAN: J106.17(SHELL_GND#17) J106.18(SHELL_GND#18) J107.17(SHELL_GND#17) J107.18(SHELL_GND#18) J109.17(SHELL_GND#17) J109.18(SHELL_GND#18) L372.2 L373.2 L430.2
GND_SFPGA_LAN: J6.17(SHELL_GND#17) J6.18(SHELL_GND#18) L42.2
VCC1V5: C1186.1(CAP2) C1192.2(CAP1) C1193.1(CAP2) C1194.1(CAP2) C1195.1(CAP2) C1196.1(CAP2) L92.1 L94.2 L95.1 R1072.2 TP44.1 U116.14(BIAS)
VCC1V5_FPGA: C160.1(CAP2) C161.1(CAP2) C162.1(CAP2) C187.1(CAP2) C250.1(CAP2) C508.1(CAP2) C509.1(CAP2) C510.1(CAP2) C511.1(CAP2) C512.1(CAP2) C513.1(CAP2) C514.1(CAP2) C515.1(CAP2) C516.1(CAP2) C517.1(CAP2) C518.1(CAP2) C519.1(CAP2) C528.1(CAP2) C529.1(CAP2) C530.1(CAP2) C531.1(CAP2) C532.1(CAP2) C533.1(CAP2) C534.1(CAP2) C535.1(CAP2) C536.1(CAP2) C538.1(CAP2) C539.1(CAP2) C540.1(CAP2) C541.1(CAP2) C542.1(CAP2) C543.1(CAP2) C544.1(CAP2) C556.1(CAP2) C557.1(CAP2) C558.1(CAP2) C559.1(CAP2) C560.1(CAP2) C561.1(CAP2) C562.1(CAP2) C564.1(CAP2) C565.1(CAP2) C566.1(CAP2) C567.1(CAP2) C568.1(CAP2) C569.1(CAP2) C570.1(CAP2) C571.1(CAP2) C572.1(CAP2) C574.1(CAP2) C576.1(CAP2) C578.1(CAP2) C579.1(CAP2) C580.1(CAP2) C581.1(CAP2) C582.1(CAP2) C583.1(CAP2) C584.1(CAP2) C586.1(CAP2) C587.1(CAP2) C588.1(CAP2) C589.1(CAP2) C590.1(CAP2) C591.1(CAP2) C592.1(CAP2) C593.1(CAP2) C594.1(CAP2) C606.1(CAP2) C607.1(CAP2) C608.1(CAP2) C609.1(CAP2) C610.1(CAP2) C611.1(CAP2) C612.1(CAP2) C614.1(CAP2) C615.1(CAP2) C616.1(CAP2) C617.1(CAP2) C618.1(CAP2) C619.1(CAP2) C620.1(CAP2) C621.1(CAP2) C622.1(CAP2) L92.2 R160.1 R162.1 R163.1 U75.A1(VDDQ#A1) U75.A8(VDDQ#A8) U75.B2(VDD#B2) U75.C1(VDDQ#C1) U75.C9(VDDQ#C9) U75.D2(VDDQ#D2) U75.D9(VDD#D9) U75.E9(VDDQ#E9) U75.F1(VDDQ#F1) U75.G7(VDD#G7) U75.H2(VDDQ#H2) U75.H9(VDDQ#H9) U75.K2(VDD#K2) U75.K8(VDD#K8) U75.N1(VDD#N1) U75.N9(VDD#N9) U75.R1(VDD#R1) U75.R9(VDD#R9) U76.A1(VDDQ#A1) U76.A8(VDDQ#A8) U76.B2(VDD#B2) U76.C1(VDDQ#C1) U76.C9(VDDQ#C9) U76.D2(VDDQ#D2) U76.D9(VDD#D9) U76.E9(VDDQ#E9) U76.F1(VDDQ#F1) U76.G7(VDD#G7) U76.H2(VDDQ#H2) U76.H9(VDDQ#H9) U76.K2(VDD#K2) U76.K8(VDD#K8) U76.N1(VDD#N1) U76.N9(VDD#N9) U76.R1(VDD#R1) U76.R9(VDD#R9) U77.A1(VDDQ#A1) U77.A8(VDDQ#A8) U77.B2(VDD#B2) U77.C1(VDDQ#C1) U77.C9(VDDQ#C9) U77.D2(VDDQ#D2) U77.D9(VDD#D9) U77.E9(VDDQ#E9) U77.F1(VDDQ#F1) U77.G7(VDD#G7) U77.H2(VDDQ#H2) U77.H9(VDDQ#H9) U77.K2(VDD#K2) U77.K8(VDD#K8) U77.N1(VDD#N1) U77.N9(VDD#N9) U77.R1(VDD#R1) U77.R9(VDD#R9) U78.A1(VDDQ#A1) U78.A8(VDDQ#A8) U78.B2(VDD#B2) U78.C1(VDDQ#C1) U78.C9(VDDQ#C9) U78.D2(VDDQ#D2) U78.D9(VDD#D9) U78.E9(VDDQ#E9) U78.F1(VDDQ#F1) U78.G7(VDD#G7) U78.H2(VDDQ#H2) U78.H9(VDDQ#H9) U78.K2(VDD#K2) U78.K8(VDD#K8) U78.N1(VDD#N1) U78.N9(VDD#N9) U78.R1(VDD#R1) U78.R9(VDD#R9) U247.AA9(VCCO_33#AA9) U247.AA19(VCCO_32#AA19) U247.AB16(VCCO_32#AB16) U247.AC3(VCCO_34#AC3) U247.AC13(VCCO_33#AC13) U247.AD10(VCCO_33#AD10) U247.AE7(VCCO_34#AE7) U247.AE17(VCCO_32#AE17) U247.AF4(VCCO_34#AF4) U247.AF14(VCCO_32#AF14) U247.AG1(VCCO_34#AG1) U247.AG11(VCCO_33#AG11) U247.AH8(VCCO_34#AH8) U247.AH18(VCCO_32#AH18) U247.AJ5(VCCO_34#AJ5) U247.AJ15(VCCO_32#AJ15) U247.AK2(VCCO_34#AK2) U247.AK12(VCCO_33#AK12) U247.Y12(VCCO_33#Y12)
VCC1V5_MGT: C1223.2(CAP1) C1224.1(CAP2) C1225.1(CAP2) C1226.1(CAP2) C1227.1(CAP2) C1230.2(CAP1) L102.2 L103.1 R1107.2 TP50.1 U119.14(BIAS)
VCC1V5_MGT_PG: R1110.1 U247.J29(IO_L7P_T1_AD10P_15)
VCC1V5_PG: R1075.1 R1140.1 R1149.2 R2083.1 R2273.1
VCC1V8: C44.1(CAP2) C505.1(CAP2) C641.1(CAP2) C642.1(CAP2) C1172.1(CAP2) C1173.1(CAP2) C1174.1(CAP2) C1180.2(CAP1) C1184.1(CAP2) C1185.1(CAP2) C2434.1(CAP2) C2873.2(CAP1) C2874.2(CAP1) C2877.2(CAP1) C2878.2(CAP1) C2883.2(CAP1) C2887.2(CAP1) C2894.2(CAP1) C2895.2(CAP1) C2909.2(CAP1) C2910.2(CAP1) C2912.2(CAP1) C2913.2(CAP1) C2919.2(CAP1) C2920.2(CAP1) C2945.1(CAP2) C2947.1(CAP2) C2949.1(CAP2) C3030.2(CAP1) C3032.2(CAP1) C3034.2(CAP1) C3037.2(CAP1) C3044.2(CAP1) C3047.2(CAP1) C3069.1(CAP2) C3070.1(CAP2) C3073.1(CAP2) C3074.1(CAP2) C3077.1(CAP2) C3078.1(CAP2) C3079.1(CAP2) C3085.1(CAP2) D1.2 D2.2 D3.2 D4.2 J1.4 L34.2 L35.2 L86.2 L91.1 L536.1 R4.1 R42.1 R220.1 R277.1 R340.2 R341.2 R342.2 R395.1 R455.1 R456.1 R495.1 R496.1 R497.1 R498.1 R499.1 R500.1 R501.1 R1057.2 R1058.1 R1076.1 R1086.1 R1109.1 R1112.1 R1139.1 R2280.1 R2402.1 R3027.1 R3029.1 R3031.1 SW8.1(P1) SW8.2(P2) TP43.1 U6.8(VCC) U7.8(VCC) U79.8(VS) U115.14(BIAS) U377.16(VCCB) U379.16(VCCB) U381.16(VCCB) U382.16(VCCB) U387.16(VCCB) U389.16(VCCB) U391.16(VCCB) U394.1(VCCA) U395.1(VCCA) U396.1(VCCA) U420.16(VCCB) U422.16(VCCB) U424.16(VCCB) U426.1(VCCA) U428.1(VCCA) U430.1(VCCA) U431.2(VCCA) U431.10(OE) U435.2(VCCA) U435.10(OE)
VCC1V8_FPGA: C143.1(CAP2) C159.1(CAP2) C400.1(CAP2) C401.1(CAP2) C639.1(CAP2) L91.2 U247.AA29(VCCO_13#AA29) U247.AB6(VCCO_0#AB6) U247.AB26(VCCO_13#AB26) U247.AC23(VCCO_12#AC23) U247.AD20(VCCO_12#AD20) U247.AD30(VCCO_13#AD30) U247.AE27(VCCO_13#AE27) U247.AF24(VCCO_12#AF24) U247.AG21(VCCO_12#AG21) U247.AH28(VCCO_13#AH28) U247.AJ25(VCCO_13#AJ25) U247.AK22(VCCO_12#AK22) U247.J25(VCCO_15#J25) U247.K22(VCCO_15#K22) U247.L29(VCCO_15#L29) U247.M26(VCCO_15#M26) U247.N23(VCCO_15#N23) U247.P20(VCCO_15#P20) U247.P30(VCCO_14#P30) U247.R27(VCCO_14#R27) U247.T9(VCCO_0#T9) U247.T24(VCCO_14#T24) U247.U21(VCCO_14#U21) U247.V28(VCCO_14#V28) U247.W25(VCCO_14#W25) U247.Y22(VCCO_12#Y22)
VCC1V8_PG: R1051.1 R1060.1 R1067.1
VCC1V8_S_FPGA: C770.1(CAP2) C771.1(CAP2) C773.1(CAP2) C774.1(CAP2) C791.1(CAP2) C792.1(CAP2) C793.1(CAP2) C794.1(CAP2) C795.1(CAP2) C796.1(CAP2) C797.1(CAP2) L35.1 L40.2 R788.2 U88.F10(VCCAUX#F10) U88.G2(VCCO_34#G2) U88.H10(VCCAUX#H10) U88.K2(VCCO_34#K2) U88.K10(VCCAUX#K10) U88.L9(VCCAUX#L9) U88.N2(VCCO_34#N2)
VCC2V5_VREF: C3010.1(CAP2) C3011.2(CAP1) R3109.2 R3127.2 U416.6(VOUT)
VCC2V5_VREF_ACS: C3100.1(CAP2) C3101.2(CAP1) R3341.2 R3346.2 U439.6(VOUT)
